# Altium PCB higgs.PcbDoc (part 24 of 25) (continued)
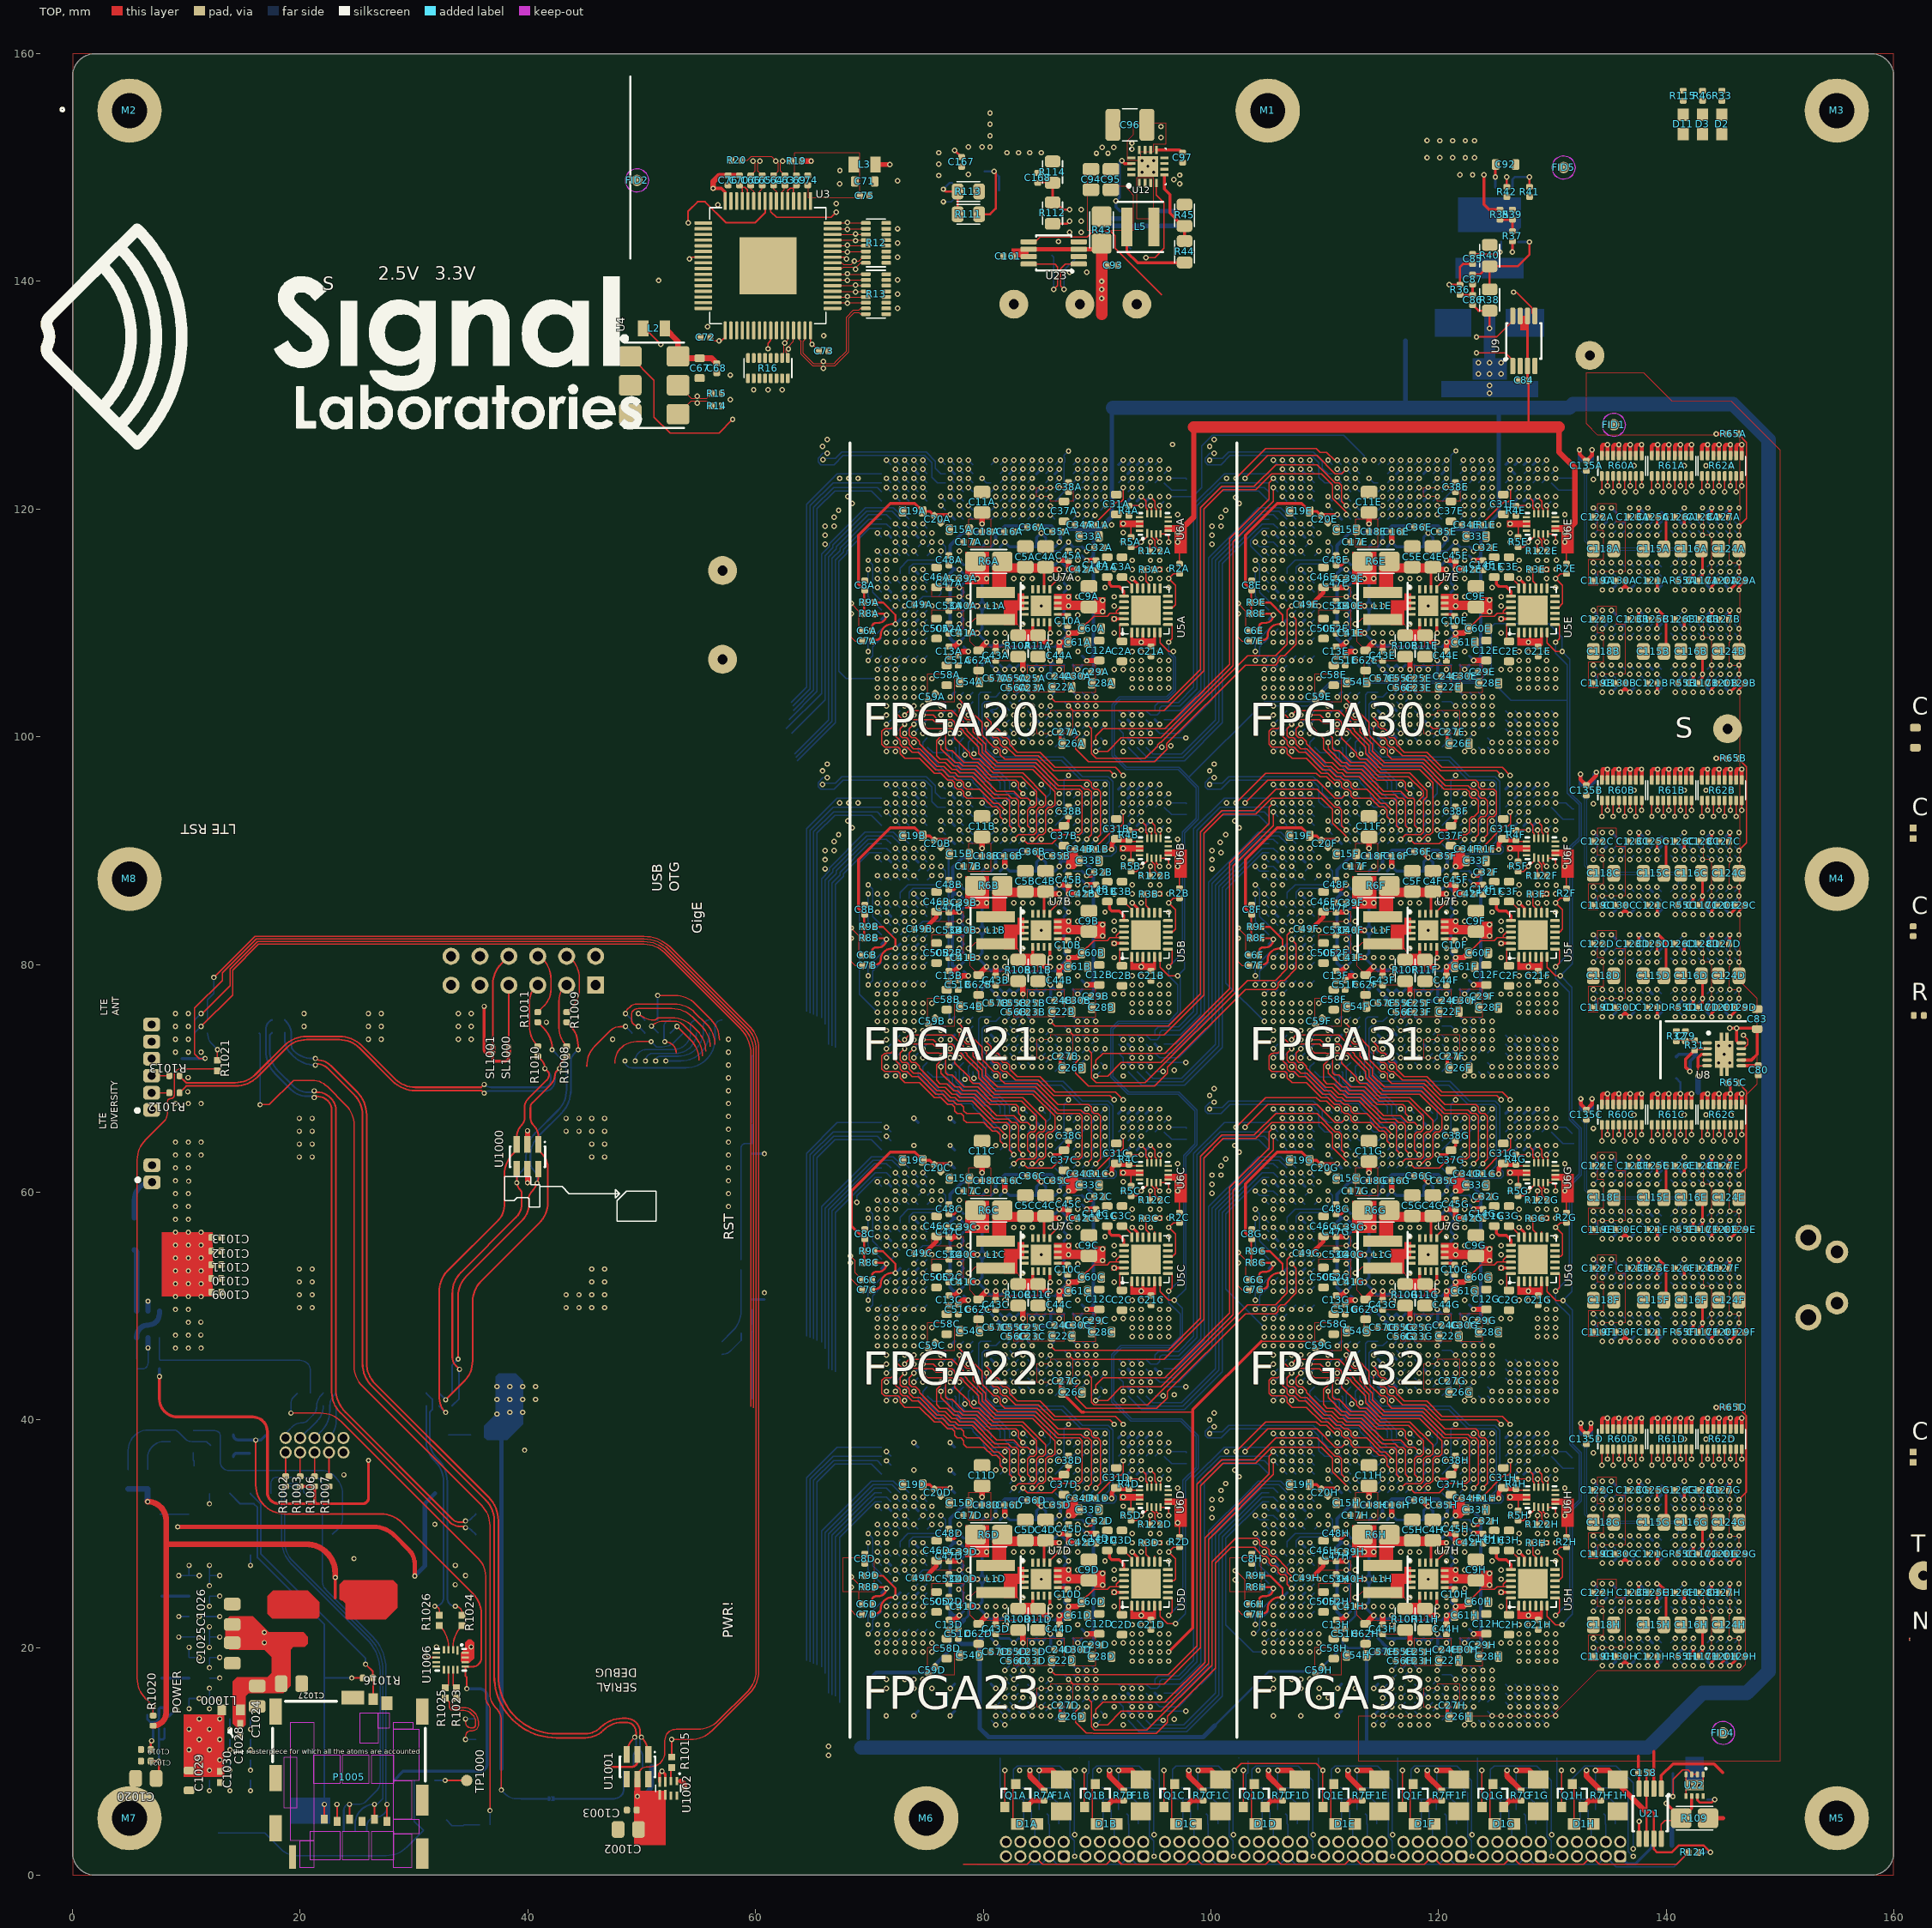
[diagram p0: TOP view]
## Nets (pads, with @x,y where several pads share a name; then routed paths per layer and width w, separated by ;. In a path a pad name is that pad's centre, name@x,y a point inside that pad or via, vN(x,y) a via of type N, cw(c..) or ccw(c..) an arc to the next point about the centre after c; other vN are vias at no path point) (continued)
XCHG_INT: U1003.PAK41
XCHG_SCL: U1003.PAK38
XCHG_SDA: U1003.PAL40
XDEBUG_RXD: R1011.2 U1000.4 | length 40.2
  TOP w0.152: v2(34,44.438) 33.634,44.804 cw(c34.285,45.454) 33.365,45.454 33.365,51.133 cw(c35.905,51.133) 34.109,52.929 38.953,57.773 ccw(c37.727,58.999) 39.461,58.999 39.461,59.879 ccw(c39.027,59.879) 39.334,60.186 cw(c40.094,60.946) 39.019,60.946 U1000.4@39.019,62.032 ; R1011.2@40.869,74.92 41.384,74.405 cw(c39.588,72.609) 42.128,72.609 v2(42.128,72.505)
  BOT w0.152: 33.329,41.219 33.931,41.821 33.931,44.369 v2(34,44.438) ; v2(39.029,60.821) 39.029,60.974 cw(c40.07,60.974) 39.334,61.71 39.483,61.859 ccw(c38.616,62.726) 39.842,62.726 39.842,63.167 cw(c42.763,63.167) 40.698,65.233 42.654,67.189 ccw(c40.858,68.985) 43.398,68.985 43.398,70.6 ccw(c41.865,70.6) 42.949,71.684 v2(42.128,72.505)
XDEBUG_TXD: R1009.2 U1000.6 | length 38.6
  TOP w0.152: v2(33.873,45.327) 33.873,50.836 cw(c36.413,50.836) 34.617,52.632 39.482,57.498 ccw(c38,58.98) 40.096,58.98 40.096,59.446 cw(c40.963,59.446) 40.35,60.059 ccw(c38.976,61.433) 40.919,61.433 U1000.6@40.919,62.032 ; R1009.2@43.42,74.92 43.67,74.67 cw(c41.874,72.874) 44.414,72.874 v2(44.414,72.505)
  BOT w0.152: 33.329,42.349 33.329,44.783 v2(33.873,45.327) ; v2(40.807,60.796) 40.807,61.167 ccw(c39.68,61.167) 40.477,61.964 cw(c41.09,62.577) 40.223,62.577 40.223,63.167 cw(c42.763,63.167) 40.967,64.963 42.923,66.92 ccw(c40.858,68.985) 43.779,68.985 43.779,71.489 cw(c44.699,71.489) 44.048,72.139 v2(44.414,72.505)
XETHPHY_INT: U1003.PB42 | length 88.9
  TOP w0.102: v2(11.294,74.554) 14.058,77.318 14.058,79.501 16.333,81.776 50.22,81.776 cw(c50.22,79.236) 52.016,81.032 58.655,74.393 cw(c56.374,72.112) 59.6,72.112 59.6,41.151
  BOT w0.102: U1003.PB42@10.729,73.989 v2(11.294,74.554)
XETHPHY_RST: U1003.PA42 | length 88.6
  TOP w0.102: v2(11.294,75.684) 11.394,75.684 13.829,78.119 13.829,79.596 16.238,82.005 50.22,82.005 cw(c50.22,79.236) 52.178,81.194 58.95,74.421 cw(c56.831,72.302) 59.828,72.302 59.828,41.056
  BOT w0.102: U1003.PA42@10.729,75.119 v2(11.294,75.684)
XFUEL_SCL: U1003.PA40
XFUEL_SDA: U1003.PA37
XGMAC_MDC: U1003.PB4 | length 7.8
  TOP w0.102: 47.629,71.319 cw(c49.529,71.319) 49.529,73.219 v2(50.829,73.219)
  BOT w0.102: v2(50.829,73.219) 51.288,72.76 51.829,72.76 ccw(c51.829,74.236) 52.873,73.193 U1003.PB4@53.669,73.989
XGMAC_MDIO: U1003.PB8 | length 6.1
  TOP w0.127: 45.176,71.072 cw(c47.716,71.072) 45.92,72.868 47.23,74.178 cw(c48.097,73.311) 48.097,74.537 48.543,74.537 ccw(c48.543,74.595) v2(48.584,74.554)
  BOT w0.152: v2(48.584,74.554) U1003.PB8@49.149,73.989
XGMAC_RXCLK: U1003.PB5 | length 4.5
  TOP w0.102: v2(53.104,74.554) 54.285,73.373 cw(c52.489,71.577) 55.029,71.577
  BOT w0.152: U1003.PB5@52.539,73.989 v2(53.104,74.554)
XGMAC_RXCTL: U1003.PA6 | length 9.6
  TOP w0.102: v2(51.409,77.271) 52.925,77.271 cw(c52.925,74.731) 54.721,76.527 56.085,75.163 cw(c54.289,73.367) 56.829,73.367
  BOT w0.152: U1003.PA6@51.409,75.119 v2(51.409,77.271)
XGMAC_RXD0: U1003.PA8 | length 10.9
  TOP w0.102: v2(48.584,75.684) cw(c49.043,75.684) 48.718,76.008 49.029,76.319 cw(c49.512,75.836) 49.512,76.519 52.877,76.519 cw(c52.877,73.979) 54.673,75.775 55.685,74.763 cw(c53.889,72.967) 56.429,72.967
  BOT w0.152: v2(48.584,75.684) U1003.PA8@49.149,75.119
XGMAC_RXD1: U1003.PB7 | length 11.2
  TOP w0.102: v2(49.714,74.554) cw(c49.714,75.085) 49.338,74.71 49.229,74.819 cw(c49.47,75.06) 49.129,75.06 49.129,75.678 cw(c49.47,75.678) 49.229,75.919 cw(c49.712,75.436) 49.712,76.119 52.677,76.119 cw(c52.677,73.579) 54.473,75.375 55.285,74.563 cw(c53.489,72.767) 56.029,72.767
  BOT w0.152: v2(49.714,74.554) U1003.PB7@50.279,73.989
XGMAC_RXD2: U1003.PA7 | length 8.5
  TOP w0.102: v2(49.714,75.684) ccw(c51.078,77.048) 51.078,75.119 51.088,75.119 ccw(c51.088,75.46) 51.329,75.219 cw(c51.57,74.978) 51.57,75.319 52.677,75.319 cw(c52.677,72.779) 54.473,74.575 54.885,74.163 cw(c53.089,72.367) 55.629,72.367
  BOT w0.152: v2(49.714,75.684) U1003.PA7@50.279,75.119
XGMAC_RXD3: U1003.PB6 | length 7.1
  TOP w0.102: v2(50.864,74.584) cw(c51.914,73.534) 51.914,75.019 52.905,75.019 cw(c52.905,73.995) 53.629,74.719 ; 53.629,74.719 54.585,73.763 cw(c52.789,71.967) 55.329,71.967
  BOT w0.152: v2(50.864,74.584) U1003.PB6@51.429,74.019
XGMAC_TXCLK: U1003.PA5 | length 3.8
  TOP w0.127: v2(52.029,73.219) cw(c52.029,72.219) 53.029,72.219
  BOT w0.127: v2(52.029,73.219) cw(c52.029,73.29) 51.958,73.29 51.958,74.538 cw(c52.539,74.538) U1003.PA5@52.539,75.119
XGMAC_TXCTL: U1003.PA1 | length 11.7
  BOT w0.127: v2(48.529,71.519) ccw(c49.129,71.519) 49.129,70.919 53.905,70.919 ccw(c53.905,73.459) 56.445,73.459 56.445,74.505 cw(c57.059,74.505) U1003.PA1@57.059,75.119
XGMAC_TXD0: U1003.PB2 | length 5.2
  BOT w0.127: v2(52.129,71.519) 53.459,71.519 ccw(c53.459,73.989) U1003.PB2@55.929,73.989
XGMAC_TXD1: U1003.PA2 | length 7
  BOT w0.127: v2(51.229,71.519) cw(c51.648,71.519) 51.648,71.938 53.233,71.938 ccw(c53.233,74.119) 55.414,74.119 55.414,74.604 cw(c55.929,74.604) U1003.PA2@55.929,75.119
XGMAC_TXD2: U1003.PB3 | length 5.9
  BOT w0.127: v2(50.329,71.519) cw(c51.002,71.519) 51.002,72.192 53.002,72.192 ccw(c53.002,73.989) U1003.PB3@54.799,73.989
XGMAC_TXD3: U1003.PA3 | length 7.7
  BOT w0.127: v2(49.429,71.519) cw(c50.429,71.519) 50.429,72.519 52.784,72.519 ccw(c52.784,74.019) 54.284,74.019 54.284,74.604 cw(c54.799,74.604) U1003.PA3@54.799,75.119
XGPIO0: U1003.PAL21
XGPIO1: U1003.PAK21
XGPIO2: U1003.PAK20
XGPIO3: U1003.PAK37
XGPIO4: U1003.PA39
XGPIO5: U1003.PAL26
XGPIO6: U1003.PAG2
XGPIO7: U1003.PAH2
XGPIO8: U1003.PAH1
XGPIO9: U1003.PAJ2
XHDMI_CEC: U1003.PA29
XHDMI_HPD: U1003.PB29
XHDMI_LS_OE: U1003.PAK40
XHDMI_SCL: U1003.PAK11
XHDMI_SDA: U1003.PAL11
XHDMI_TX0N: U1003.PA32
XHDMI_TX0P: U1003.PB32
XHDMI_TX1N: U1003.PA31
XHDMI_TX1P: U1003.PB31
XHDMI_TX2N: U1003.PA30
XHDMI_TX2P: U1003.PB30
XHDMI_TXCN: U1003.PA33
XHDMI_TXCP: U1003.PB33
XHSIC_DATA: U1003.PB38
XHSIC_HUB_CONNECT: U1003.PAK39
XHSIC_HUB_INT: U1003.PAL38
XHSIC_HUB_RST: U1003.PAL39
XHSIC_HUB_SCL: R1024.1 | length 21
  TOP w0.102: v2(33.629,23.619) cw(c33.629,23.019) 34.229,23.019 R1024.1@34.229,22.829
  BOT w0.152: 31.069,42.349 31.597,41.821 31.597,40.892 31.384,40.679 31.384,38.101 ccw(c33.378,38.101) 31.968,36.691 32.082,36.577 cw(c30.063,34.559) 32.918,34.559 32.918,24.33 ccw(c33.629,24.33) v2(33.629,23.619)
XHSIC_HUB_SDA: R1026.1 | length 19.5
  TOP w0.102: v2(31.829,23.619) cw(c31.829,23.219) 32.229,23.219 R1026.1@32.229,22.829
  BOT w0.152: 31.069,41.219 31.069,38.101 ccw(c33.378,38.101) 31.745,36.468 31.859,36.355 cw(c30.063,34.559) 32.603,34.559 32.603,24.393 cw(c31.829,24.393) v2(31.829,23.619)
XHSIC_STROBE: U1003.PA38
XI2C0_SCL: U1003.PAK9
XI2C0_SDA: U1003.PAL9
XJTAG_RSTN: U1003.PAE1
XJTAG_TCK: U1003.PAC1
XJTAG_TDI: U1003.PAD2
XJTAG_TDO: U1003.PAD1
XJTAG_TMS: U1003.PAC2
XLCD1_GPIO1: U1003.PAH43
XLCD2_GPIO1: Q1000.1 R1017.1 | length 17.7
  BOT w0.102: Q1000.1@7.631,47.219 7.629,47.217 R1017.1@7.629,45.364 ccw(c7.774,45.364) 7.774,45.219 19.991,45.219 cw(c19.991,44.311) 20.899,44.311 20.899,42.349
XLCD_GPIO: R1027.2 | length 47.3
  TOP w0.102: v2(19.192,40.59) 21.81,40.59 cw(c21.81,38.05) 23.606,39.846 35.657,27.795 cw(c34.14,26.277) 36.286,26.277 36.286,15.587 ccw(c37.153,15.587) 36.54,14.974 cw(c36.233,14.667) 36.667,14.667 36.667,5.681 v2(36.674,5.674)
  BOT w0.102: v2(19.192,40.59) 19.192,41.415 cw(c20.052,41.415) 19.444,42.024 19.769,42.349 ; R1027.2@36.674,4.419 v2(36.674,5.674)
XLCD_PWMOUT: U1003.PAL7
XLCD_RESET: U1003.PAL34
XLED1_IN: U1003.PAK27
XLED1_OUT: U1003.PAK26
XLED2_IN: U1003.PAK25
XLED2_OUT: U1003.PAL27
XLVDS_DN0: U1003.PA22
XLVDS_DN1: U1003.PA23
XLVDS_DN2: U1003.PA24
XLVDS_DN3: U1003.PA26
XLVDS_DN4: U1003.PA27
XLVDS_DNCLK: U1003.PA25
XLVDS_DP0: U1003.PB22
XLVDS_DP1: U1003.PB23
XLVDS_DP2: U1003.PB24
XLVDS_DP3: U1003.PB26
XLVDS_DP4: U1003.PB27
XLVDS_DPCLK: U1003.PB25
XMCU_SCL: U1003.PAG42
XMCU_SDA: U1003.PAG43
XMIPICSI1_DN0: U1003.PA11
XMIPICSI1_DN1: U1003.PA12
XMIPICSI1_DN2: U1003.PA13
XMIPICSI1_DN3: U1003.PA14
XMIPICSI1_DNCLK: U1003.PA10
XMIPICSI1_DP0: U1003.PB11
XMIPICSI1_DP1: U1003.PB12
XMIPICSI1_DP2: U1003.PB13
XMIPICSI1_DP3: U1003.PB14
XMIPICSI1_DPCLK: U1003.PB10
XMIPIDSI1_DN0: U1003.PA17
XMIPIDSI1_DN1: U1003.PA18
XMIPIDSI1_DN2: U1003.PA19
XMIPIDSI1_DN3: U1003.PA20
XMIPIDSI1_DNCLK: U1003.PA16
XMIPIDSI1_DP0: U1003.PB17
XMIPIDSI1_DP1: U1003.PB18
XMIPIDSI1_DP2: U1003.PB19
XMIPIDSI1_DP3: U1003.PB20
XMIPIDSI1_DPCLK: U1003.PB16
XPWM0_OUT: U1003.PAK7
XPWR_KEY: R1004.2 | length 6.9
  BOT w0.127: 57.059,46.869 57.985,47.795 ccw(c56.189,49.591) 58.729,49.591 R1004.2@58.729,53.164
XRESET: R1005.2 | length 2.8
  BOT w0.127: 57.059,45.739 ccw(c57.059,46.789) 57.802,46.047 58.744,46.989 R1005.2@58.744,47.613
XRTC_INT: U1003.PAE2
XRTC_SCL: U1003.PAL20
XRTC_SDA: U1003.PAL25
XSD0_CDN: U1003.PAL37
XSD0_CLK: U1003.PAK30
XSD0_CMD: U1003.PAK28
XSD0_D0: U1003.PAL30
XSD0_D1: U1003.PAK29
XSD0_D2: U1003.PAL29
XSD0_D3: U1003.PAL28
XSPI0_CLK: U1003.PAK4
XSPI0_CS: U1003.PAL4
XSPI0_MISO: U1003.PAK3
XSPI0_MOSI: U1003.PAL3
XTSP1_GPIO1: U1003.PAL35
XTSP1_INT: U1003.PAL36
XTSP2_GPIO1: U1003.PAK35
XTSP2_INT: U1003.PAK36
XTSP_RESET: U1003.PAH42
XTSP_SCL: U1003.PAK8
XTSP_SDA: U1003.PAL8
XUART0_RX: R1010.1 R1013.2 U1000.3 | length 73.8
  TOP w0.152: R1013.2@9.394,70.219 9.394,70.193 9.978,69.609 14.29,69.609 ccw(c14.29,72.149) 16.086,70.353 18.586,72.853 cw(c20.584,70.854) 20.584,73.681 23.423,73.681 cw(c23.423,70.854) 25.422,72.853 28.327,69.947 ccw(c30.123,71.743) 30.123,69.203 35.905,69.203 v2(36.159,69.457) ; v2(32.778,40.649) 32.712,40.715 cw(c33.896,41.898) 32.222,41.898 32.222,51.315 cw(c34.762,51.315) 32.226,51.452 cw(c34.762,51.315) 32.966,53.111 37.429,57.574 ccw(c36.203,58.8) 37.937,58.8 37.937,61.547 cw(c40.477,61.547) 38.681,63.343 38.699,63.361 ccw(c37.926,64.134) 39.019,64.134 U1000.3@39.019,64.182 39.019,64.834 cw(c40.528,64.834) 39.461,65.901 ccw(c38.848,66.514) 39.715,66.514 39.715,67.425 cw(c40.836,67.425) 40.043,68.218 41.664,69.838 ccw(c41.156,70.346) 41.874,70.346 ccw(c41.567,70.346) 41.784,70.563 v2(41.493,70.854) ccw(c40.392,70.854) 41.171,71.632 R1010.1@40.869,71.934 R1010.1@40.858,71.923
  BOT w0.152: 32.213,41.214 v2(32.778,40.649) ; v2(36.159,69.457) ccw(c36.772,70.07) 36.772,69.203 41.44,69.203 ccw(c41.44,69.637) 41.747,69.33 41.821,69.404 ccw(c41.388,69.838) 42.001,69.838 42.001,70.092 ccw(c41.388,70.092) 41.821,70.526 v2(41.493,70.854)
XUART0_TX: R1008.1 R1012.2 U1000.1 | length 74.2
  TOP w0.152: R1012.2@9.394,68.719 9.998,69.323 14.283,69.323 ccw(c14.283,72.142) 16.277,70.149 18.778,72.65 cw(c20.574,70.854) 20.574,73.394 23.423,73.394 cw(c23.423,70.854) 25.219,72.65 28.125,69.744 ccw(c30.123,71.743) 30.123,68.916 35.938,68.916 v2(36.159,68.695) ; v2(32.781,41.762) 34.399,43.381 ccw(c32.603,45.177) 35.143,45.177 35.143,50.371 cw(c37.683,50.371) 35.887,52.167 41.003,57.283 ccw(c39.207,59.079) 41.747,59.079 41.747,62.183 ccw(c40.13,62.183) 41.273,63.327 cw(c42.129,64.182) U1000.1@40.919,64.182 40.919,64.834 ccw(c39.41,64.834) 40.477,65.901 cw(c41.09,66.514) 40.223,66.514 40.223,67.425 cw(c40.836,67.425) 40.402,67.858 42.023,69.479 ccw(c41.156,70.346) 42.382,70.313 ; 42.38,70.268 cw(c42.868,70.268) 42.382,70.313 ; R1008.1@43.42,71.934 43.062,71.576 ccw(c43.784,70.854) v2(42.763,70.854) 42.523,70.614 ccw(c42.868,70.268) 42.382,70.313
  BOT w0.152: 32.216,42.327 v2(32.781,41.762) ; v2(36.159,68.695) cw(c36.588,68.266) 36.588,68.873 41.563,68.873 ccw(c41.563,69.514) 42.016,69.06 ; 42.016,69.061 42.091,69.135 ccw(c41.388,69.838) 42.382,69.838 42.382,70.092 cw(c43.302,70.092) 42.651,70.742 v2(42.763,70.854)
XUHOST1_D_N: U1005.C15 | length 54.6
  TOP w0.152: v2(21.229,68.305) 21.283,68.358 cw(c21.429,68.212) 21.429,68.419 21.463,68.419 cw(c21.463,67.053) 22.429,68.019 cw(c21.598,67.188) 22.773,67.188 22.773,42.424 ccw(c25.313,42.424) 23.517,40.628 33.133,31.013 ccw(c34.029,31.909) 33.732,30.677 ccw(c34.029,31.909) 34.029,30.641 34.253,30.641 cw(c34.253,30.251) v2(34.529,30.527)
  BOT w0.152: 17.509,75.119 ccw(c17.509,74.926) 17.372,75.062 17.229,74.919 ccw(c17.846,74.302) 16.973,74.302 16.973,72.427 ccw(c19.869,72.427) 17.822,70.379 19.216,68.985 ccw(c20.582,70.35) 20.582,68.419 20.953,68.419 cw(c20.953,68.029) v2(21.229,68.305) ; v2(34.529,30.527) cw(c34.529,29.822) 35.028,30.32 U1005.C15@35.429,29.919
XUHOST1_D_P: U1005.B15 | length 52.7
  TOP w0.152: v2(21.229,68.889) 21.283,68.835 ccw(c21.429,68.982) 21.429,68.775 21.463,68.775 cw(c21.463,67.053) 22.68,68.27 cw(c21.598,67.188) 23.129,67.188 23.129,42.718 ccw(c26.025,42.718) 23.977,40.671 33.384,31.264 ccw(c34.029,31.909) 34.029,30.997 34.253,30.997 ccw(c34.253,31.387) v2(34.529,31.111)
  BOT w0.152: 17.509,73.989 17.329,73.809 17.329,72.427 ccw(c19.869,72.427) 18.073,70.631 19.363,69.34 ; 19.364,69.34 ccw(c20.729,70.706) 20.729,68.775 20.953,68.775 ccw(c20.953,69.165) v2(21.229,68.889) ; v2(34.529,31.111) ccw(c34.529,31.816) 35.028,31.318 U1005.B15@35.429,31.719
XUHOST_VBUSCTRL: R1021.2 | length 2.6
  TOP w0.102: R1021.2@12.729,71.719 v2(12.729,72.519)
  BOT w0.102: 11.859,73.989 ccw(c13.308,73.989) 12.283,72.965 v2(12.729,72.519)
XUSB3_D_N: P1004.2 U1001.1 | length 87.1
  TOP w0.152: v2(21.329,71.733) ccw(c21.364,71.733) 21.339,71.709 21.429,71.619 cw(c21.429,69.795) 22.719,71.085 24.981,68.823 cw(c22.933,66.775) 24.982,68.821 cw(c22.933,66.775) 25.829,66.775 25.829,44.974 ccw(c28.369,44.974) 26.573,43.178 36.551,33.2 cw(c34.503,31.153) 37.399,31.153 37.399,17.529 ccw(c42.509,17.529) 42.509,12.419 45.046,12.419 ccw(c45.046,14.302) 46.378,12.97 cw(c48.319,11.029) 48.319,13.775 48.639,13.775 cw(c48.639,12.557) 49.857,12.557 49.857,12.395 ccw(c50.247,12.395) v2(49.971,12.119) cw(c48.504,10.651) 50.579,10.651 U1001.1@50.579,10.594
  BOT w0.152: 18.639,75.119 18.727,75.031 cw(c17.515,73.819) 19.229,73.819 19.229,72.902 ccw(c19.912,72.902) 19.429,72.419 ccw(c21.084,74.074) 21.084,71.733 v2(21.329,71.733) ; v2(49.971,12.119) 49.917,12.065 ccw(c50.064,11.919) 49.857,11.919 49.857,10.967 cw(c49.32,10.431) 50.079,10.431 P1004.2@50.079,9.544
XUSB3_D_P: P1004.3 U1001.3 | length 86
  TOP w0.152: v2(21.329,71.149) cw(c21.364,71.149) 21.339,71.174 21.429,71.263 cw(c21.429,69.795) 22.467,70.833 24.729,68.571 cw(c22.933,66.775) 25.473,66.775 25.473,44.974 ccw(c28.369,44.974) 26.322,42.927 36.299,32.949 cw(c34.503,31.153) 37.043,31.153 37.043,17.529 ccw(c42.509,17.529) 42.509,12.063 45.046,12.063 ccw(c45.046,14.302) 46.629,12.719 cw(c48.319,11.029) 48.319,13.419 48.639,13.419 cw(c48.639,12.557) 49.501,12.557 49.501,12.395 cw(c49.111,12.395) v2(49.387,12.119) 49.257,11.989 ccw(c50.652,10.594) U1001.3@48.679,10.594
  BOT w0.152: 18.639,73.989 18.639,73.468 ccw(c20.478,73.468) 19.178,72.168 19.395,71.95 ccw(c21.329,73.884) v2(21.329,71.149) ; P1004.3@49.279,9.544 49.279,10.431 cw(c50.038,10.431) 49.501,10.967 49.501,11.919 ccw(c49.294,11.919) 49.441,12.065 v2(49.387,12.119)
XUSB3_ID: D1000.2 R1014.1 SL1002.2 | length 86.2
  TOP w0.102: v2(16.474,67.679) 17.279,67.679 19.419,69.819 21.046,69.819 cw(c21.046,67.934) 22.379,69.267 23.985,67.661 cw(c22.189,65.865) 24.729,65.865 24.729,44.728 ccw(c27.269,44.728) 25.473,42.932 35.923,32.482 cw(c34.127,30.686) 36.667,30.686 36.667,15.946 ccw(c38.401,15.946) 37.175,14.72 cw(c35.987,13.532) 37.667,13.532 v2(37.667,7.481)
  BOT w0.102: 16.379,73.989 16.474,73.894 v2(16.474,67.679) ; R1014.1@37.667,8.433 v2(37.667,7.481) 38.048,7.1 ccw(c38.968,8.02) 38.968,6.719 D1000.2@39.429,6.719
  BOT w0.152: D1000.2@39.429,6.719 SL1002.2@41.764,6.719
XUSB3_VBUS: C1002.2 C1003.2 P1004.1 U1001.5 U1002.5 U1002.6 | length 139.2
  TOP w0.102: v2(11.648,71.743) 11.14,71.743 10.729,72.154 10.729,76.158 13.172,78.601 13.172,79.262 16.143,82.233 50.22,82.233 cw(c50.22,79.236) 52.339,81.355 59.246,74.449 cw(c57.288,72.491) 60.057,72.491 60.057,17.953 cw(c57.517,17.953) 59.313,16.157 56.719,13.563 cw(c54.923,15.359) 54.923,12.819 53.029,12.819 ccw(c53.029,11.819) 52.029,11.819 52.029,10.784 cw(c50.764,10.784) 50.764,9.519 50.529,9.519 ccw(c50.529,8.619) 49.629,8.619 U1001.5@49.629,8.444
  TOP w0.508: v2(49.629,6.919) U1001.5@49.629,8.444
  BOT w0.254: 9.599,71.729 10.729,71.729 11.634,71.729 v2(11.648,71.743)
  BOT w0.457: v2(49.629,6.919) ccw(c49.629,8.169) 50.879,8.169 P1004.1@50.879,9.544
XUSB3_VBUSCTRL: R1015.2 | length 124.6
  TOP w0.102: v2(12.41,78.855) 16.017,82.462 50.22,82.462 cw(c50.22,79.236) 52.501,81.517 59.541,74.476 cw(c57.745,72.68) 60.285,72.68 60.285,17.953 cw(c57.517,17.953) 59.474,15.995 56.184,12.704 cw(c54.288,14.6) 54.288,11.919 v2(52.629,11.919)
  TOP w0.152: R1015.2@52.629,10.374 v2(52.629,11.919)
  BOT w0.102: 11.859,75.119 11.859,76.907 12.41,77.458 v2(12.41,78.855)
ZB_JTCK: U1003.PAK13
ZB_JTDI: U1003.PAL12
ZB_JTDO: U1003.PAL13
ZB_JTMS: U1003.PAK12
ZB_PA4: U1003.PAK15
ZB_PA5: U1003.PAL15
ZB_PC0: U1003.PAK14
ZB_RSTN: U1003.PAL14
ZQA: R55A.2 U14A.L8 | length 1.6
  TOP w0.254: R55A.2@141.945,113.7 142.4,114.155 v1(142.4,114.5)
  BOT w0.1: U14A.L8@142,114.1 v1(142.4,114.5)
ZQB: R55B.2 U14B.L8 | length 1.6
  TOP w0.254: R55B.2@141.945,104.7 142.4,105.155 v1(142.4,105.5)
  BOT w0.1: U14B.L8@142,105.1 v1(142.4,105.5)
ZQC: R55C.2 U14C.L8 | length 1.6
  TOP w0.254: R55C.2@141.945,85.2 142.4,85.655 v1(142.4,86)
  BOT w0.1: U14C.L8@142,85.6 v1(142.4,86)
ZQD: R55D.2 U14D.L8 | length 1.6
  TOP w0.254: R55D.2@141.945,76.2 142.4,76.655 v1(142.4,77)
  BOT w0.1: U14D.L8@142,76.6 v1(142.4,77)
ZQE: R55E.2 U14E.L8 | length 1.6
  TOP w0.254: R55E.2@141.945,56.7 142.4,57.155 v1(142.4,57.5)
  BOT w0.1: U14E.L8@142,57.1 v1(142.4,57.5)
ZQF: R55F.2 U14F.L8 | length 1.6
  TOP w0.254: R55F.2@141.945,47.7 142.4,48.155 v1(142.4,48.5)
  BOT w0.1: U14F.L8@142,48.1 v1(142.4,48.5)
ZQG: R55G.2 U14G.L8 | length 1.6
  TOP w0.254: R55G.2@141.945,28.2 142.4,28.655 v1(142.4,29)
  BOT w0.1: U14G.L8@142,28.6 v1(142.4,29)
ZQH: R55H.2 U14H.L8 | length 1.6
  TOP w0.254: R55H.2@141.945,19.2 142.4,19.655 v1(142.4,20)
  BOT w0.1: U14H.L8@142,19.6 v1(142.4,20)
pads on no net: C106A.1 C106B.1 C147A.1 C147B.1 C148A.2 C148B.2 C152A.2 C152B.2 C1004.1 C1005.1 C1006.1 FID1. FID2. FID3. FID4. FID5. J1000.1 J1000.2 L6A.2 L6B.2 NT7.A P8.1 P9.1 P11.1 P12.1 P1001.1 P1001.2 P1001.9 P1001.10 P1002.5 P1005.C2 P1005.C3 P1005.C6 P1005.C7 P1005.DETECT_SWITCH R16.3 R16.4 R16.5 R16.6 R16.7 R16.8 R1016.1 U1A.A24 U1A.A25 U1A.A26 U1A.A28 U1A.A29 U1A.A30 U1A.A31 U1A.AB32 U1A.AC4 U1A.AC29 U1A.AC32 U1A.AD27 U1A.AE7 U1A.AE26 U1A.AE27 U1A.AE28 U1A.AE29 U1A.AG2 U1A.AG24 U1A.AG31 U1A.AG32 U1A.AJ29 U1A.AJ30 U1A.AK9 U1A.AK10 U1A.AK12 U1A.AK13 U1A.AK15 U1A.AK16 U1A.AK18 U1A.AK19 U1A.AK21 U1A.AK22 U1A.AK24 U1A.AK25 U1A.B25 U1A.B26 U1A.C24 U1A.C25 U1A.C26 U1A.D23 U1A.D24 U1A.D25 U1A.D26 U1A.E7 U1A.E23 U1A.E25 U1A.E26 U1A.F23 U1A.F24 U1A.F25 U1A.G9 U1A.G10 U1A.G11 U1A.G14 U1A.G15 U1A.G16 U1A.G17 U1A.G18 U1A.G19 U1A.G22 U1A.G23 U1A.G24 U1A.H4 U1A.H29 U1A.J6 U1A.J27 U1A.L5 U1A.L28 U1A.T32 U1A.U29 U1A.U32 U1A.V3 U1A.V26 U1A.V27 U1A.V30 U1A.V32 U1A.W6 U1A.W27 U1A.W32 U1B.A24 U1B.A25 U1B.A26 U1B.A28 U1B.A29 U1B.A30 U1B.A31 U1B.AB32 U1B.AC4 U1B.AC29 U1B.AC32 U1B.AD27 U1B.AE7 U1B.AE26 U1B.AE27 U1B.AE28 U1B.AE29 U1B.AG2 U1B.AG24 U1B.AG31 U1B.AG32 U1B.AJ29 U1B.AJ30 U1B.AK9 U1B.AK10 U1B.AK12 U1B.AK13 U1B.AK15 U1B.AK16 U1B.AK18 U1B.AK19 U1B.AK21 U1B.AK22 U1B.AK24 U1B.AK25 U1B.B25 U1B.B26 U1B.C24 U1B.C25 U1B.C26 U1B.D23 U1B.D24 U1B.D25 U1B.D26 U1B.E7 U1B.E23 U1B.E25 U1B.E26 U1B.F23 U1B.F24 U1B.F25 U1B.G9 U1B.G10 U1B.G11 U1B.G14 U1B.G15 U1B.G16 U1B.G17 U1B.G18 U1B.G19 U1B.G22 U1B.G23 U1B.G24 U1B.H4 U1B.H29 U1B.J6 U1B.J27 U1B.L5 U1B.L28 U1B.T32 U1B.U29 U1B.U32 U1B.V3 U1B.V26 U1B.V27 U1B.V30 U1B.V32 U1B.W6 U1B.W27 U1B.W32 U1C.A24 U1C.A25 U1C.A26 U1C.A28 U1C.A29 U1C.A30 U1C.A31 U1C.AB32 U1C.AC4 U1C.AC29 U1C.AC32 U1C.AD27 U1C.AE7 U1C.AE26 U1C.AE27 U1C.AE28 U1C.AE29 U1C.AG2 U1C.AG24 U1C.AG31 U1C.AG32 U1C.AJ29 U1C.AJ30 U1C.AK9 U1C.AK10 U1C.AK12 U1C.AK13 U1C.AK15 U1C.AK16 U1C.AK18 U1C.AK19 U1C.AK21 U1C.AK22 U1C.AK24 U1C.AK25 U1C.B25 U1C.B26 U1C.C24 U1C.C25 U1C.C26 U1C.D23 U1C.D24 U1C.D25 U1C.D26 U1C.E7 U1C.E23 U1C.E25 U1C.E26 U1C.F23 U1C.F24 U1C.F25 U1C.G9 U1C.G10 U1C.G11 U1C.G14 U1C.G15 U1C.G16 U1C.G17 U1C.G18 U1C.G19 U1C.G22 U1C.G23 U1C.G24 U1C.H4 U1C.H29 U1C.J6 U1C.J27 U1C.L5 U1C.L28 U1C.T32 U1C.U29 U1C.U32 U1C.V3 U1C.V26 U1C.V27 U1C.V30 U1C.V32 U1C.W6 U1C.W27 U1C.W32 U1D.A24 U1D.A25 U1D.A26 U1D.A28 U1D.A29 U1D.A30 U1D.A31 U1D.AB32 U1D.AC4 U1D.AC29 U1D.AC32 U1D.AD27 U1D.AE7 U1D.AE26 U1D.AE27 U1D.AE28 U1D.AE29 U1D.AG2 U1D.AG24 U1D.AG31 U1D.AG32 U1D.AJ29 U1D.AJ30 U1D.AK9 U1D.AK10 U1D.AK12 U1D.AK13 U1D.AK15 U1D.AK16 U1D.AK18 U1D.AK19 U1D.AK21 U1D.AK22 U1D.AK24 U1D.AK25 U1D.B25 U1D.B26 U1D.C24 U1D.C25 U1D.C26 U1D.D23 U1D.D24 U1D.D25 U1D.D26 U1D.E7 U1D.E23 U1D.E25 U1D.E26 U1D.F23 U1D.F24 U1D.F25 U1D.G9 U1D.G10 U1D.G11 U1D.G14 U1D.G15 U1D.G16 U1D.G17 U1D.G18 U1D.G19 U1D.G22 U1D.G23 U1D.G24 U1D.H4 U1D.H29 U1D.J6 U1D.J27 U1D.L5 U1D.L28 U1D.T32 U1D.U29 U1D.U32 U1D.V3 U1D.V26 U1D.V27 U1D.V30 U1D.V32 U1D.W6 U1D.W27 U1D.W32 U1E.A24 U1E.A25 U1E.A26 U1E.A28 U1E.A29 U1E.A30 U1E.A31 U1E.AB32 U1E.AC4 U1E.AC29 U1E.AC32 U1E.AD27 U1E.AE7 U1E.AE26 U1E.AE27 U1E.AE28 U1E.AE29 U1E.AG2 U1E.AG24 U1E.AG31 U1E.AG32 U1E.AJ29 U1E.AJ30 U1E.AK9 U1E.AK10 U1E.AK12 U1E.AK13 U1E.AK15 U1E.AK16 U1E.AK18 U1E.AK19 U1E.AK21 U1E.AK22 U1E.AK24 U1E.AK25 U1E.B25 U1E.B26 U1E.C24 U1E.C25 U1E.C26 U1E.D23 U1E.D24 U1E.D25 U1E.D26 U1E.E7 U1E.E23 U1E.E25 U1E.E26 U1E.F23 U1E.F24 U1E.F25 U1E.G9 U1E.G10 U1E.G11 U1E.G14 U1E.G15 U1E.G16 U1E.G17 U1E.G18 U1E.G19 U1E.G22 U1E.G23 U1E.G24 U1E.H4 U1E.H29 U1E.J6 U1E.J27 U1E.L5 U1E.L28 U1E.T32 U1E.U29 U1E.U32 U1E.V3 U1E.V26 U1E.V27 U1E.V30 U1E.V32 U1E.W6 U1E.W27 U1E.W32 U1F.A24 U1F.A25 U1F.A26 U1F.A28 U1F.A29 U1F.A30 U1F.A31 U1F.AB32 U1F.AC4 U1F.AC29 U1F.AC32 U1F.AD27 U1F.AE7 U1F.AE26 U1F.AE27 U1F.AE28 U1F.AE29 U1F.AG2 U1F.AG24 U1F.AG31 U1F.AG32 U1F.AJ29 U1F.AJ30 U1F.AK9 U1F.AK10 U1F.AK12 U1F.AK13 U1F.AK15 U1F.AK16 U1F.AK18 U1F.AK19 U1F.AK21 U1F.AK22 U1F.AK24 U1F.AK25 U1F.B25 U1F.B26 U1F.C24 U1F.C25 U1F.C26 U1F.D23 U1F.D24 U1F.D25 U1F.D26 U1F.E7 U1F.E23 U1F.E25 U1F.E26 U1F.F23 U1F.F24 U1F.F25 U1F.G9 U1F.G10 U1F.G11 U1F.G14 U1F.G15 U1F.G16 U1F.G17 U1F.G18 U1F.G19 U1F.G22 U1F.G23 U1F.G24 U1F.H4 U1F.H29 U1F.J6 U1F.J27 U1F.L5 U1F.L28 U1F.T32 U1F.U29 U1F.U32 U1F.V3 U1F.V26 U1F.V27 U1F.V30 U1F.V32 U1F.W6 U1F.W27 U1F.W32 U1G.A24 U1G.A25 U1G.A26 U1G.A28 U1G.A29 U1G.A30 U1G.A31 U1G.AB32 U1G.AC4 U1G.AC29 U1G.AC32 U1G.AD27 U1G.AE7 U1G.AE26 U1G.AE27 U1G.AE28 U1G.AE29 U1G.AG2 U1G.AG24 U1G.AG31 U1G.AG32 U1G.AJ29 U1G.AJ30 U1G.AK9 U1G.AK10 U1G.AK12 U1G.AK13 U1G.AK15 U1G.AK16 U1G.AK18 U1G.AK19 U1G.AK21 U1G.AK22 U1G.AK24 U1G.AK25 U1G.B25 U1G.B26 U1G.C24 U1G.C25 U1G.C26 U1G.D23 U1G.D24 U1G.D25 U1G.D26 U1G.E7 U1G.E23 U1G.E25 U1G.E26 U1G.F23 U1G.F24 U1G.F25 U1G.G9 U1G.G10 U1G.G11 U1G.G14 U1G.G15 U1G.G16 U1G.G17 U1G.G18 U1G.G19 U1G.G22 U1G.G23 U1G.G24 U1G.H4 U1G.H29 U1G.J6 U1G.J27 U1G.L5 U1G.L28 U1G.T32 U1G.U29 U1G.U32 U1G.V3 U1G.V26 U1G.V27 U1G.V30 U1G.V32 U1G.W6 U1G.W27 U1G.W32 U1H.A24 U1H.A25 U1H.A26 U1H.A28 U1H.A29 U1H.A30 U1H.A31 U1H.AB32 U1H.AC4 U1H.AC29 U1H.AC32 U1H.AD27 U1H.AE7 U1H.AE26 U1H.AE27 U1H.AE28 U1H.AE29 U1H.AG2 U1H.AG24 U1H.AG31 U1H.AG32 U1H.AJ29 U1H.AJ30 U1H.AK9 U1H.AK10 U1H.AK12 U1H.AK13 U1H.AK15 U1H.AK16 U1H.AK18 U1H.AK19 U1H.AK21 U1H.AK22 U1H.AK24 U1H.AK25 U1H.B25 U1H.B26 U1H.C24 U1H.C25 U1H.C26 U1H.D23 U1H.D24 U1H.D25 U1H.D26 U1H.E7 U1H.E23 U1H.E25 U1H.E26 U1H.F23 U1H.F24 U1H.F25 U1H.G9 U1H.G10 U1H.G11 U1H.G14 U1H.G15 U1H.G16 U1H.G17 U1H.G18 U1H.G19 U1H.G22 U1H.G23 U1H.G24 U1H.H4 U1H.H29 U1H.J6 U1H.J27 U1H.L5 U1H.L28 U1H.T32 U1H.U29 U1H.U32 U1H.V3 U1H.V26 U1H.V27 U1H.V30 U1H.V32 U1H.W6 U1H.W27 U1H.W32 U2A.1 U2A.2 U2A.7 U2A.8 U2A.14 U2B.1 U2B.2 U2B.7 U2B.8 U2B.14 U3.17 U3.18 U3.19 U3.20 U3.21 U3.22 U3.24 U3.25 U3.26 U3.27 U3.28 U3.29 U3.30 U3.31 U3.34 U3.35 U4.2 U5A.4 U5A.8 U5A.9 U5A.11 U5B.4 U5B.8 U5B.9 U5B.11 U5C.4 U5C.8 U5C.9 U5C.11 U5D.4 U5D.8 U5D.9 U5D.11 U5E.4 U5E.8 U5E.9 U5E.11 U5F.4 U5F.8 U5F.9 U5F.11 U5G.4 U5G.8 U5G.9 U5G.11 U5H.4 U5H.8 U5H.9 U5H.11 U10.3 U10.5 U10.22 U13A.10 U13B.10 U14A.J1 U14A.J9 U14A.L1 U14A.L9 U14A.M7 U14B.J1 U14B.J9 U14B.L1 U14B.L9 U14B.M7 U14C.J1 U14C.J9 U14C.L1 U14C.L9 U14C.M7 U14D.J1 U14D.J9 U14D.L1 U14D.L9 U14D.M7 U14E.J1 U14E.J9 U14E.L1 U14E.L9 U14E.M7 U14F.J1 U14F.J9 U14F.L1 U14F.L9 U14F.M7 U14G.J1 U14G.J9 U14G.L1 U14G.L9 U14G.M7 U14H.J1 U14H.J9 U14H.L1 U14H.L9 U14H.M7 U16A.7 U16B.7 U17A.13 U17A.14 U17A.15 U17B.13 U17B.14 U17B.15 U18.A3 U18.A4 U18.A6 U18.A7 U18.A8 U18.A9 U18.A10 U18.A11 U18.B1 U18.B2 U18.B3 U18.B4 U18.B5 U18.B6 U18.B7 U18.B8 U18.B9 U18.B10 U18.B11 U18.B12 U18.C2 U18.C3 U18.C4 U18.C5 U18.C6 U18.C7 U18.C8 U18.C9 U18.C10 U18.C11 U18.C12 U18.D2 U18.D3 U18.D4 U18.D5 U18.D6 U18.D7 U18.D8 U18.D9 U18.D10 U18.D11 U18.D12 U18.E2 U18.E3 U18.E4 U18.E5 U18.E6 U18.E7 U18.E8 U18.E9 U18.E10 U18.E11 U18.E12 U18.F2 U18.F3 U18.F4 U18.F5 U18.F6 U18.F7 U18.F8 U18.F9 U18.F10 U18.F11 U18.F12 U18.G2 U18.G3 U18.G4 U18.G5 U18.G6 U18.G7 U18.G8 U18.G9 U18.G10 U18.G11 U18.G12 U18.H2 U18.H3 U18.H4 U18.H5 U18.H6 U18.H7 U18.H8 U18.H9 U18.H10 U18.H11 U18.H12 U18.J2 U18.J3 U18.J4 U18.J5 U18.J6 U18.J7 U18.J8 U18.J9 U18.J10 U18.J11 U18.J12 U18.K2 U18.K3 U18.K4 U18.K5 U18.K6 U18.K7 U18.K8 U18.K9 U18.K10 U18.K11 U18.K12 U18.L2 U18.L3 U18.L4 U18.L6 U18.L7 U18.L8 U18.L9 U18.L10 U18.L11 U18.L12 U18.M3 U18.M4 U18.M6 U18.M7 U18.M8 U18.M9 U18.M10 U18.M11 U19.2 U19.4 U20.2 U20.4 U22.8 U1001.4 U1001.6 U1002.7 U1003.PA35 U1003.PA36 U1003.PA41 U1003.PAD42 U1003.PAD43 U1003.PAE43 U1003.PAF1 U1003.PAG1 U1003.PAK6 U1003.PAK19 U1003.PAK22 U1003.PAK23 U1003.PAK24 U1003.PAK31 U1003.PAK32 U1003.PAK33 U1003.PAK34 U1003.PAL5 U1003.PAL6 U1003.PAL19 U1003.PAL22 U1003.PAL23 U1003.PAL24 U1003.PAL31 U1003.PAL32 U1003.PB35 U1003.PB36 U1003.PB37 U1003.PB41 U1003.PD42 U1003.PD43 U1003.PE42 U1003.PE43 U1003.PF42 U1003.PH42 U1003.PH43 U1003.PJ42 U1003.PJ43 U1003.PK42 U1003.PK43 U1003.PM42 U1003.PM43 U1003.PN42 U1003.PP42 U1003.PR42 U1003.PR43 U1003.PT1 U1003.PT42 U1003.PU1 U1003.PU42 U1003.PU43 U1003.PV1 U1005.A3 U1005.A8 U1005.A9 U1005.A10 U1005.A11 U1005.A12 U1005.A14 U1005.B2 U1005.B3 U1005.B4 U1005.B5 U1005.B6 U1005.B7 U1005.B8 U1005.B9 U1005.B10 U1005.B11 U1005.B12 U1005.B14 U1005.C1 U1005.C2 U1005.C3 U1005.C4 U1005.C5 U1005.C6 U1005.C7 U1005.C9 U1005.C10 U1005.C11 U1005.C12 U1005.C13 U1005.C14 U1005.D1 U1005.D2 U1005.D3 U1005.D12 U1005.D13 U1005.D14 U1005.D15 U1005.E3 U1005.E13 U1005.E15 U1005.F3 U1005.F13 U1005.F14 U1005.F15 U1005.G3 U1005.G13 U1005.G14 U1005.G15 U1005.H3 U1005.H13 U1005.H14 U1005.H15 U1005.J3 U1005.J13 U1005.J14 U1005.J15 U1005.K3 U1005.K13 U1005.K14 U1005.K15 U1005.L3 U1005.L13 U1005.L14 U1005.L15 U1005.M13 U1005.M14 U1005.N7 U1005.N8 U1005.N9 U1005.N10 U1005.N11 U1005.N12 U1005.N13 U1005.N14 U1005.P7 U1005.P11 U1005.P12 U1005.P14 U1005.P15 U1005.R7 U1005.R9 U1005.R14 U1006.9 U1006.12
copper on no net:
  other v3: 1114.671,1159.689 1115.179,1159.689 1115.687,1159.689 1116.195,1159.689 1116.703,1159.689 1114.671,1160.197 1115.179,1160.197 1115.687,1160.197 1116.195,1160.197 1116.703,1160.197 1114.671,1160.705 1115.179,1160.705 1115.687,1160.705 1116.195,1160.705 1116.703,1160.705 1114.671,1161.213 1115.179,1161.213 1115.687,1161.213 1116.195,1161.213 1116.703,1161.213 1114.671,1161.721 1115.179,1161.721 1115.687,1161.721 1116.195,1161.721 1116.703,1161.721

## Polygon pours and split planes (outlines as drawn)
no net on Top Overlay "NONET_L-01_P-001" (solid, shelved): 68 vertices, not listed, extent 44.807,126.996 47.718,129.908
no net on Top Overlay "NONET_L-01_P-001" (solid, shelved): 97 vertices, not listed, extent 26.049,130.374 31.894,138.398
no net on Top Overlay "NONET_L-01_P-001" (solid, shelved): 40 vertices, not listed, extent 21.715,126.996 24.582,129.908
no net on Top Overlay "NONET_L-01_P-001" (solid, shelved): 40 vertices, not listed, extent 25.293,126.996 28.138,130.908
no net on Top Overlay "NONET_L-01_P-001" (solid, shelved): 51 vertices, not listed, extent 28.582,126.996 31.472,129.908
no net on Top Overlay "NONET_L-01_P-001" (solid, shelved): 40 vertices, not listed, extent 33.583,126.996 36.45,129.908
no net on Top Overlay "NONET_L-01_P-001" (solid, shelved): 53 vertices, not listed, extent 38.561,126.996 41.473,129.908
no net on Top Overlay "NONET_L-01_P-001" (solid, shelved): 53 vertices, not listed, extent 39.473,132.441 45.34,138.398
GND on TOP "GND-TOP-ALL" (solid, remove dead copper, shelved, pour order 2393): 0,0 160,0 160,160 0,160